# Altium PCB PCB-Tester-Board-V1.PcbDoc (part 5 of 7)
Units mil, origin at the board's own origin, x right, y up, seen from the top; angles counter-clockwise.
Board outline 15748.03 x 11811.02 mil, 8 copper layers (Top Layer, Inner1, Inner2, Inner3, Inner4, Inner5, Inner6, Bottom Layer), stack 59.646 mil thick; 751 components, 658 nets, 2830 pads, 1014 vias.
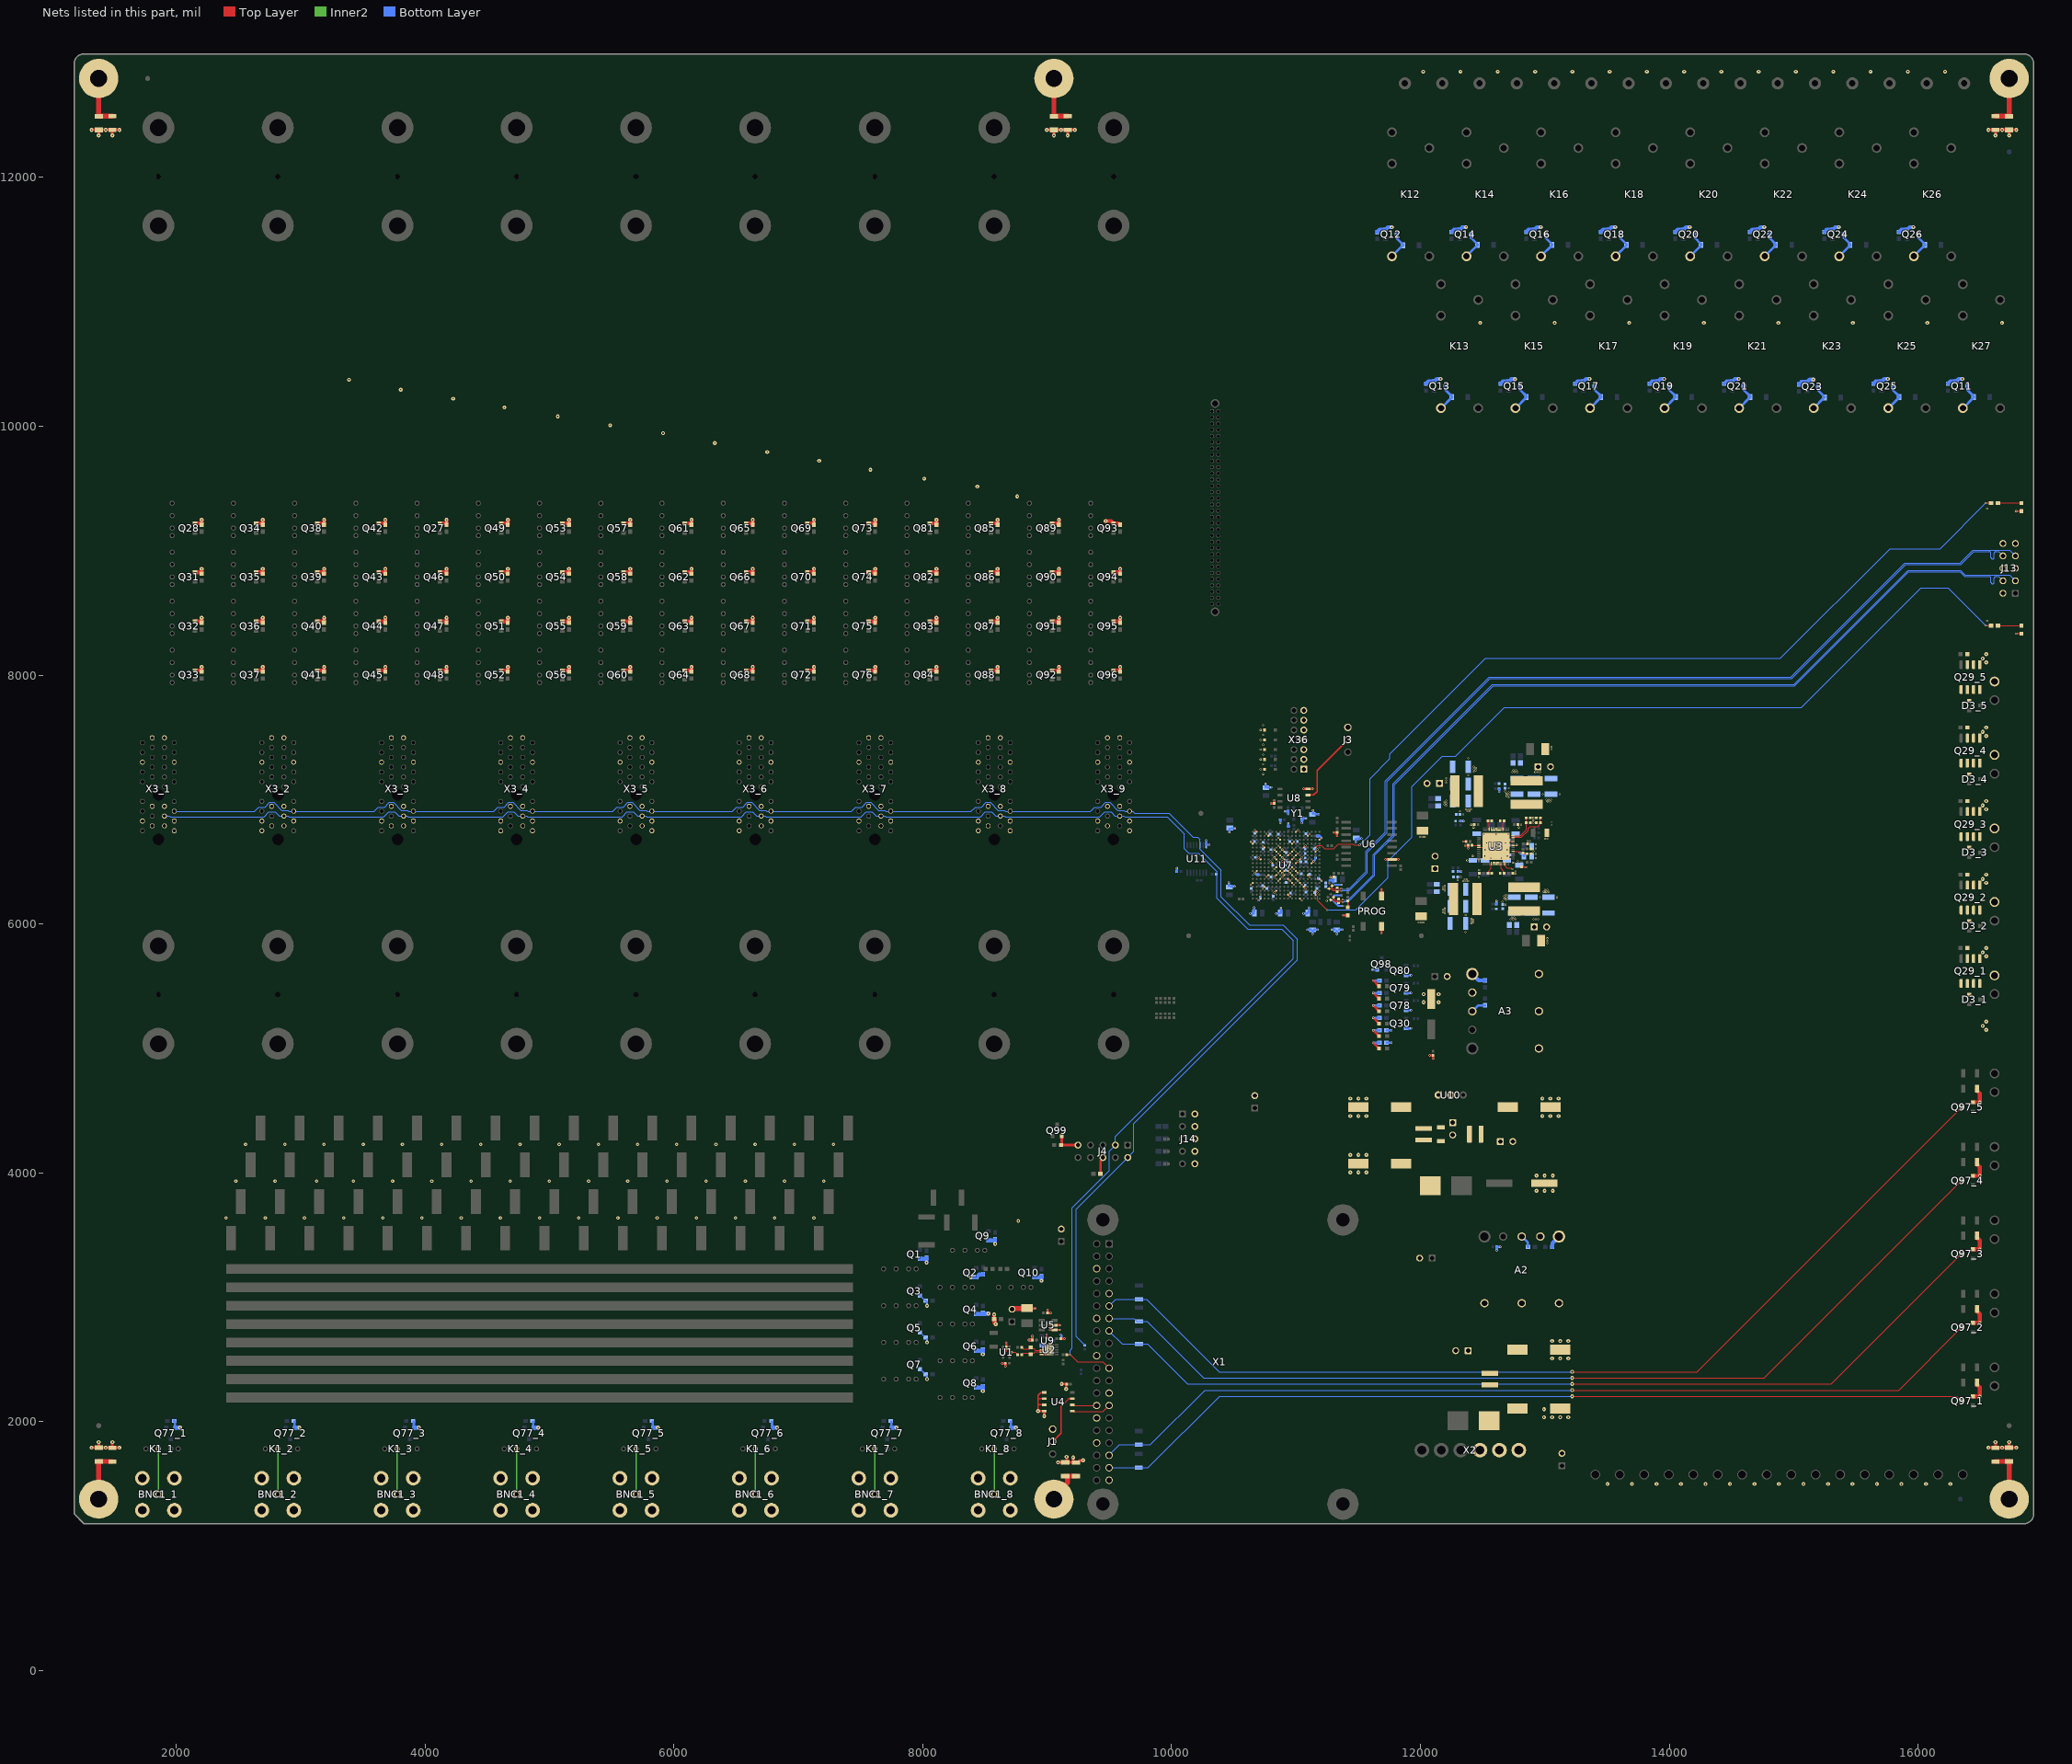
[diagram p11: the nets of this part, all layers, seen from the top]

## Via types
v1: diameter 15.75, hole 7.87, Top Layer to Bottom Layer, 599 vias
v2: diameter 31.5, hole 11.81, Top Layer to Bottom Layer, 361 vias
v3: diameter 27.56, hole 11.81, Top Layer to Bottom Layer, 54 vias

## Nets (pads, with @x,y where several pads share a name; then routed paths per layer and width w, separated by ;. In a path a pad name is that pad's centre, name@x,y a point inside that pad or via, vN(x,y) a via of type N, cw(c..) or ccw(c..) an arc to the next point about the centre after c; other vN are vias at no path point) (continued)
GND: A2.2 A2.3 A2.4 A3.2 A3.3 A3.4 BNC1_1.0 BNC1_2.0 BNC1_3.0 BNC1_4.0 BNC1_5.0 BNC1_6.0 BNC1_7.0 BNC1_8.0 C1.2 C2.2 C4.2 C5.2 C6.2 C7.2 C8.2 C9.2 C10.2 C11.2 C12.2 C13.2 C14.2 C15.2 C16.2 C17.2 C18.2 C19.2 C20.2 C21.2 C22.2 C23.2 C24.2 C25.2 C26.2 C27.2 C28.2 C29.2 C30.2 C31.2 C32.2 C33.2 C34.2 C35.2 C36.1 C37.2 C38.2 C39.2 C41.2 C42.2 C43.2 C44.2 C45.2 C47.2 C48.2 C49.2 C50.2 C51.2 C52.2 C53.2 C54.2 C56.2 C58.2 C59.2 C60.2 C61.2 C62.2 C63.2 C64.2 C65.2 C66.2 C67.2 C68.2 C69.2 C70.2 C71.1 C72.1 C73.1 C74.1 C75.1 C76.1 C77.2 C310.2 C311.2 C312.2 C313.2 C314.2 C315.2 C316.2 C317.2 C318.2 C430.2 C431.2 C432.2 C433.2 C434.2 C435.2 C436.2 C437.2 C438.2 C439.2 C440.2 C441.2 C442.2 C443.2 C444.2 C445.2 C446.2 C447.2 C448.2 C449.2 C450.2 C451.2 C452.2 C453.2 C454.2 C455.2 C456.2 C457.2 C458.2 C459.2 C460.2 C461.2 C462.2 C463.2 C464.2 C465.2 C466.2 C467.2 C468.2 C469.2 C470.1 C470.2 C471.2 C476.2 C477.2 D5.1 D6.1 D7.1 D8.1 D13.1 D33.2 D34.2 DONE.2 J1.3 J3.3 J4.6 J4.9 J13.2 J13.5 J13.6 J13.9 J13.10 J14.2 J14.4 J14.6 J14.8 J14.10 PROG.3 PROG.4 Q1.2 Q2.2 Q3.2 Q4.2 Q5.2 Q6.2 Q7.2 Q8.2 Q9.2 Q10.2 Q11.2 Q12.2 Q13.2 Q14.2 Q15.2 Q16.2 Q17.2 Q18.2 Q19.2 Q20.2 Q21.2 Q22.2 Q23.2 Q24.2 Q25.2 Q26.2 Q27.2 Q28.2 Q29_1.2 Q29_2.2 Q29_3.2 Q29_4.2 Q29_5.2 Q30.2 Q31.2 Q32.2 Q33.2 Q34.2 Q35.2 Q36.2 Q37.2 Q38.2 Q39.2 Q40.2 Q41.2 Q42.2 Q43.2 Q44.2 Q45.2 Q46.2 Q47.2 Q48.2 Q49.2 Q50.2 Q51.2 Q52.2 Q53.2 Q54.2 Q55.2 Q56.2 Q57.2 Q58.2 Q59.2 Q60.2 Q61.2 Q62.2 Q63.2 Q64.2 Q65.2 Q66.2 Q67.2 Q68.2 Q69.2 Q70.2 Q71.2 Q72.2 Q73.2 Q74.2 Q75.2 Q76.2 Q77_1.2 Q77_2.2 Q77_3.2 Q77_4.2 Q77_5.2 Q77_6.2 Q77_7.2 Q77_8.2 Q78.2 Q79.2 Q80.2 Q81.2 Q82.2 Q83.2 Q84.2 Q85.2 Q86.2 Q87.2 Q88.2 Q89.2 Q90.2 Q91.2 Q92.2 Q93.2 Q94.2 Q95.2 Q96.2 Q97_1.2 Q97_2.2 Q97_3.2 Q97_4.2 Q97_5.2 Q98.2 Q99.2 R1_1.1 R1_2.1 R1_3.1 R1_4.1 R1_5.1 R1_6.1 R1_7.1 R1_8.1 R2.1 R3.1 R4.1 R5.1 R6.1 R7.1 R8.1 R9.1 R13.1 R14.1 R15.1 R16.1 R17.1 R18.1 R19.1 R20.1 R21.1 R22.1 R23.1 R24.1 R25.1 R26.1 R27.1 R28.1 R29.1 R30.1 R31.1 R32.1 R33.1 R38_1.1 R38_2.1 R38_3.1 R38_4.1 R38_5.1 R40.1 R42.1 R48.1 R49.1 R50.1 R51.1 R52.1 R53.1 R54.1 R55.1 R56.1 R57.1 R58.1 R59.1 R60.1 R61.1 R62.1 R63.1 R64.1 R65.1 R66.1 R67.1 R68.1 R69.1 R70.1 R71.1 R72.1 R73.1 R74.1 R75.1 R76.1 R77.1 R78.1 R79.1 R80.1 R81.1 R82.1 R83.1 R84.1 R85.1 R86.1 R87.1 R88.1 R89.1 R90.1 R91.1 R92.1 R93.1 R95.1 R97.1 R114.2 R117_1.1 R117_2.1 R117_3.1 R117_4.1 R117_5.1 R122.2 R126.2 R133.2 R134.1 R136.1 R137.1 R140.2 R141.1 R143.1 R144.1 R145.1 R146.1 R147.1 R148.1 R149.1 R150.1 R151.1 R152.1 R153.1 R154.1 R155.1 R156.1 R157.1 R158.1 R162.1 R167.1 R168.1 R178.2 R179.2 R180.2 R181.2 R182.2 R183.2 R185.1 R187.1 TP1.2 TP2.2 TP3.2 TP4.2 TP5.2 TP6.2 TP7.2 TP8.2 TP9.2 TP10.2 TP11.2 TP12.2 TP13.2 U1.2 U2.5 U2.11 U3.22 U3.28 U3.40 U3.50 U3.52 U3.57 U4.1 U4.2 U4.3 U4.4 U5.1 U5.2 U6.10 U7.A2 U7.A12 U7.B5 U7.B15 U7.C8 U7.C18 U7.D1 U7.D11 U7.E4 U7.E8 U7.E14 U7.F7 U7.F9 U7.F11 U7.F17 U7.G8 U7.G10 U7.G12 U7.H3 U7.H7 U7.H9 U7.H11 U7.H13 U7.J6 U7.J8 U7.J9 U7.J10 U7.J12 U7.J16 U7.K7 U7.K9 U7.K10 U7.K11 U7.L2 U7.L8 U7.L9 U7.L10 U7.L12 U7.M5 U7.M7 U7.M9 U7.M11 U7.M15 U7.N8 U7.N10 U7.N12 U7.N18 U7.P1 U7.P11 U7.P13 U7.R4 U7.R14 U7.T7 U7.T17 U7.U10 U7.V3 U7.V13 U8.4 U9.1 U10.2 U11.7 X1.6 X1.9 X1.14 X1.20 X1.25 X1.30 X1.34 X1.39 X2.4 X2.5 X2.6 X3_1.A1 X3_1.A6 X3_1.A13 X3_1.A16 X3_1.A17 X3_1.A18 X3_1.B1 X3_1.B6 X3_1.B13 X3_1.B16 X3_1.B17 X3_2.A1 X3_2.A6 X3_2.A13 X3_2.A16 X3_2.A17 X3_2.B1 X3_2.B6 X3_2.B13 X3_2.B16 X3_2.B17 X3_2.B18 X3_3.A1 X3_3.A6 X3_3.A13 X3_3.A16 X3_3.A17 X3_3.B1 X3_3.B6 X3_3.B13 X3_3.B16 X3_3.B17 X3_4.A1 X3_4.A6 X3_4.A13 X3_4.A16 X3_4.A17 X3_4.A18 X3_4.B1 X3_4.B6 X3_4.B13 X3_4.B16 X3_4.B18 X3_5.A1 X3_5.A6 X3_5.A13 X3_5.A16 X3_5.A17 X3_5.A18 X3_5.B1 X3_5.B6 X3_5.B13 X3_5.B16 X3_6.A1 X3_6.A6 X3_6.A13 X3_6.A16 X3_6.A17 X3_6.B1 X3_6.B6 X3_6.B13 X3_6.B16 X3_6.B18 X3_7.A1 X3_7.A6 X3_7.A13 X3_7.A16 X3_7.A17 X3_7.B1 X3_7.B6 X3_7.B13 X3_7.B16 X3_8.A1 X3_8.A6 X3_8.A13 X3_8.A16 X3_8.A18 X3_8.B1 X3_8.B6 X3_8.B13 X3_8.B16 X3_8.B17 X3_8.B18 X3_9.A1 X3_9.A6 X3_9.A13 X3_9.A16 X3_9.A18 X3_9.B1 X3_9.B6 X3_9.B13 X3_9.B16 X3_9.B17 X36.1 X36.3 X36.5 X36.7 X36.9 X36.11 X36.13 Y1.2 | length 16934.6
  Top Layer w6: v1(8716.54,2559.06) 8744.07,2559.06 8755.93,2547.2 R114.2@8762.26,2540.89 ; v1(10637.8,6314.96) U7.P1@10653.54,6330.71 ; v1(10637.8,6661.42) U7.D1@10653.54,6645.67 ; v1(10669.29,6409.45) U7.L2@10685.04,6425.2 ; v1(10669.29,6755.91) U7.A2@10685.04,6740.16 ; v1(10700.79,6188.98) U7.V3@10716.54,6204.72 ; v1(10700.79,6535.43) U7.H3@10716.54,6519.69 ; v1(10732.28,6283.46) U7.R4@10748.03,6299.21 ; v1(10732.28,6629.92) U7.E4@10748.03,6614.17 ; v1(10763.78,6377.95) U7.M5@10779.53,6393.7 ; v1(10763.78,6724.41) U7.B5@10779.53,6708.66 ; v1(10795.28,6503.94) U7.J6@10811.02,6488.19 ; v1(10826.77,6251.97) U7.T7@10842.52,6267.72 ; v1(10826.77,6377.95) U7.M7@10842.52,6393.7 ; v1(10826.77,6440.94) U7.K7@10842.52,6456.69 ; v1(10826.77,6535.43) U7.H7@10842.52,6519.69 ; v1(10826.77,6598.43) U7.F7@10842.52,6582.68 ; v1(10858.27,6346.46) U7.N8@10874.02,6362.2 ; v1(10858.27,6409.45) U7.L8@10874.02,6425.2 ; v1(10858.27,6503.94) U7.J8@10874.02,6488.19 ; v1(10858.27,6566.93) U7.G8@10874.02,6551.18 ; v1(10858.27,6629.92) U7.E8@10874.02,6614.17 ; v1(10858.27,6692.91) U7.C8@10874.02,6677.17 ; v1(10889.76,6377.95) U7.M9@10905.51,6393.7 ; v1(10889.76,6409.45) U7.L9@10905.51,6425.2 ; v1(10889.76,6440.94) U7.K9@10905.51,6456.69 ; v1(10889.76,6503.94) U7.J9@10905.51,6488.19 ; v1(10889.76,6535.43) U7.H9@10905.51,6519.69 ; v1(10889.76,6598.43) U7.F9@10905.51,6582.68 ; U7.U10@10937.01,6236.22 v1(10952.76,6220.47) ; U7.N10@10937.01,6362.2 v1(10952.76,6346.46) ; U7.L10@10937.01,6425.2 v1(10952.76,6409.45) ; U7.K10@10937.01,6456.69 v1(10952.76,6440.94) ; U7.J10@10937.01,6488.19 v1(10952.76,6503.94) ; U7.G10@10937.01,6551.18 v1(10952.76,6566.93) ; U7.P11@10968.5,6330.71 v1(10984.25,6314.96) ; U7.M11@10968.5,6393.7 v1(10984.25,6377.95) ; U7.K11@10968.5,6456.69 v1(10984.25,6440.94) ; U7.H11@10968.5,6519.69 v1(10984.25,6535.43) ; U7.F11@10968.5,6582.68 v1(10984.25,6598.43) ; U7.D11@10968.5,6645.67 v1(10984.25,6661.42) ; U7.N12@11000,6362.2 v1(11015.75,6346.46) ; U7.L12@11000,6425.2 v1(11015.75,6409.45) ; U7.J12@11000,6488.19 v1(11015.75,6503.94) ; U7.G12@11000,6551.18 v1(11015.75,6566.93) ; U7.A12@11000,6740.16 v1(11015.75,6755.91) ; U7.V13@11031.5,6204.72 v1(11047.24,6188.98) ; U7.P13@11031.5,6330.71 v1(11047.24,6314.96) ; U7.H13@11031.5,6519.69 v1(11047.24,6535.43) ; U7.R14@11062.99,6299.21 v1(11078.74,6283.46) ; U7.E14@11062.99,6614.17 v1(11078.74,6629.92) ; U7.M15@11094.49,6393.7 v1(11110.24,6377.95) ; U7.B15@11094.49,6708.66 v1(11110.24,6724.41) ; U7.J16@11125.98,6488.19 v1(11141.73,6503.94) ; U7.T17@11157.48,6267.72 v1(11173.23,6251.97) ; U7.F17@11157.48,6582.68 v1(11173.23,6598.43) ; U7.N18@11188.98,6362.2 v1(11204.72,6346.46) ; U7.C18@11188.98,6677.17 v1(11204.72,6692.91) ; U3.28@12470.47,6521.65 12471,6521.13 v1(12471,6504) ; U3.22@12470.47,6616.14 12600.39,6616.14 v1(12608.27,6624.02) ; U3.40@12679.18,6486.17 12679.18,6468.36 12696.49,6451.05 12729.95,6451.05 v1(12739,6442) ; U3.57@12702,6666 12704.61,6663.39 U3.52@12746.06,6663.39
  Top Layer w8.66: U3.50@12746.06,6631.89 12769.97,6631.89 12773.08,6635 v1(12774.54,6635) v1@12776,6635
  Top Layer w10: v2(8927.63,2085.83) 8927.63,2135.88 ; U4.3@8976.76,2135.83 8927.69,2135.83 8927.63,2135.88 ; U4.2@8976.76,2185.83 8927.74,2185.83 8927.63,2185.94 ; U4.1@8976.76,2235.83 8974.3,2233.38 8948.49,2233.38 8927.63,2212.52 8927.63,2185.94 ; v1(11277.8,6376.6) R162.1@11304.62,6376.6 ; v1(16788.13,8333.66) D33.2@16830.71,8333.66 ; v1(16788.13,9317.91) D34.2@16830.71,9317.91 ; 8927.63,2135.88 8927.63,2185.94
  Top Layer w11.81: U2.5@8956.69,2539.37 U2.11@8986.22,2539.37
  Top Layer w12: R122.2@12814.96,6460.63 12818.9,6456.69 v1(12851.38,6456.69)
  Top Layer w16: v1(8662.01,2559.06) 8670.01,2567.06 8670.01,2593.24 U1.2@8671.26,2594.49 ; v1(12346,6663.39) C53.2@12368,6663.39 ; v1(12360,6630) 12383.06,6630 12384,6629.06 v1(12384,6609)
  Top Layer w18: C63.2@8878.57,2909.56 v1(8904.7,2909.56) ; C6.2@8992.13,2677.17 C6.2@8996.06,2677.17 ; v1(8996.06,2700.79) C6.2@8996.06,2677.17 ; v1(9003.94,2900.14) 9003.94,2874.02 v1(9030.06,2874.02) ; v1(9015.75,2677.17) C6.2@8996.06,2677.17 ; v1(9021.64,2738.69) U5.1@9047.77,2738.69 ; v1(9021.64,2776.1) U5.2@9047.77,2776.1 ; U5.1@9074.8,2738.19 v1(9100.93,2738.19) ; U5.2@9074.8,2775.59 v1(9100.93,2775.59) ; v1(10800.65,6968.31) C36.1@10826.77,6968.31 v1(10826.77,6994.43) ; v1(11303.15,6736.22) C37.2@11330.71,6736.22 v1(11330.71,6710.09) ; v1(11379.92,6070.86) DONE.2@11417.32,6070.86 ; v1(11687.01,5929.13) PROG.3@11687.01,5956.69 ; PROG.4@11687.01,6251.97 v1(11687.01,6279.53) ; v1(11720.47,6519) U6.10@11748.03,6519 ; U6.10@11796.87,6519 v1(11824.43,6519)
  Top Layer w18.5: U1.2@8671.26,2594.49 v1(8671.26,2635.04)
  Top Layer w20: v1(8638.78,2468.5) 8655.87,2468.5 8657.02,2469.65 8664.53,2469.65 C4.2@8665.35,2470.47 v1(8665.35,2445.87) ; v1(8851.38,2657.48) C70.2@8881.89,2657.48 v1(8881.89,2687.99) ; v2(8927.63,2085.83) U4.4@8967.43,2085.83 ; v2(8976.76,2045.74) U4.4@8976.76,2085.54 ; C2.2@9110.24,2667.32 v1(9139.76,2667.32) ; R185.1@9112.2,4223.23 R185.1@9112.36,4223.23 ; v2(9117.4,2303.15) C1.2@9157.19,2303.15 ; Q99.2@9118.11,4295.28 9118.11,4228.98 R185.1@9112.36,4223.23 ; v2(9153.54,2263.07) C1.2@9153.54,2302.86 ; J4.9@9248.82,4223.23 R185.1@9112.36,4223.23 ; R187.1@9429.13,3992.13 9429.13,4094.04 9448.82,4113.73 J4.6@9448.82,4123.23 ; v1(11061.02,7086.81) U8.4@11097.25,7086.81 v1(11133.48,7086.81) ; v1(12074.84,4944.88) C62.2@12102.36,4944.88 v1(12102.36,4917.32)
  Top Layer w22: v2(1320.95,1791.34) C71.1@1358.27,1791.34 ; v2(1320.95,12381.89) C76.1@1358.27,12381.89 ; C71.1@1377.95,1799.21 v2(1377.95,1836.53) ; v2(1377.95,12336.7) C76.1@1377.95,12374.02 ; C71.1@1382.05,1791.34 v2(1435.13,1791.34) R178.2@1472.44,1791.34 ; C76.1@1382.05,12381.89 v2(1435.13,12381.89) R183.2@1472.44,12381.89 ; R178.2@1488.19,1799.21 v2(1488.19,1836.53) ; v2(1488.19,12336.7) R183.2@1488.19,12374.02 ; R178.2@1507.87,1791.34 v2(1545.19,1791.34) ; R183.2@1507.87,12381.89 v2(1545.19,12381.89) ; v2(8998.12,12381.89) C75.1@9035.43,12381.89 ; v2(9055.12,12336.7) C75.1@9055.12,12374.02 ; C75.1@9059.22,12381.89 v2(9112.29,12381.89) R182.2@9149.61,12381.89 ; v2(9088.67,1673.23) C72.1@9145.67,1673.23 R179.2@9229.94,1673.23 ; C72.1@9157.48,1681.1 v2(9157.48,1718.42) ; v2(9165.35,12336.7) R182.2@9165.35,12374.02 ; R182.2@9185.04,12381.89 v2(9222.35,12381.89) ; R179.2@9209.49,1676.18 v2(9209.49,1713.5) ; R179.2@9243.72,1670.18 9263.49,1689.96 v2(9289.28,1689.96) ; v2(16565.05,1791.34) R180.2@16602.36,1791.34 ; v2(16565.05,12381.89) R181.2@16602.36,12381.89 ; R180.2@16622.05,1799.21 v2(16622.05,1836.53) ; v2(16622.05,12336.7) R181.2@16622.05,12374.02 ; R180.2@16637.8,1791.34 v2(16675.11,1791.34) C73.1@16728.19,1791.34 ; R181.2@16637.8,12381.89 v2(16675.11,12381.89) C74.1@16728.19,12381.89 ; C73.1@16732.28,1799.21 v2(16732.28,1836.53) ; v2(16732.28,12336.7) C74.1@16732.28,12374.02 ; C73.1@16751.97,1791.34 v2(16789.28,1791.34) ; C74.1@16751.97,12381.89 v2(16789.28,12381.89)
  Top Layer w31.5: Q33.2@2151.57,8038.27 R50.1@2195.67,8038.27 ; Q32.2@2151.57,8431.97 R49.1@2195.67,8431.97 ; Q31.2@2151.57,8825.67 R48.1@2195.67,8825.67 ; Q28.2@2151.57,9219.37 2195.67,9219.37 R33.1@2203.54,9211.5 ; R50.1@2205.51,8030.39 v2(2205.51,8066.15) ; R49.1@2205.51,8424.09 v2(2205.51,8459.85) ; R48.1@2205.51,8817.8 v2(2205.51,8853.55) ; R33.1@2205.51,9211.5 v2(2205.51,9247.25) ; Q37.2@2643.7,8038.27 R54.1@2687.8,8038.27 ; Q36.2@2643.7,8431.97 R53.1@2687.8,8431.97 ; Q35.2@2643.7,8825.67 R52.1@2687.8,8825.67 ; Q34.2@2643.7,9219.37 2687.8,9219.37 R51.1@2695.67,9211.5 ; R54.1@2697.64,8030.39 v2(2697.64,8066.15) ; R53.1@2697.64,8424.09 v2(2697.64,8459.85) ; R52.1@2697.64,8817.8 v2(2697.64,8853.55) ; R51.1@2697.64,9211.5 v2(2697.64,9247.25) ; Q41.2@3135.83,8038.27 R58.1@3179.92,8038.27 ; Q40.2@3135.83,8431.97 R57.1@3179.92,8431.97 ; Q39.2@3135.83,8825.67 R56.1@3179.92,8825.67 ; Q38.2@3135.83,9219.37 R55.1@3179.92,9219.37 ; R58.1@3189.76,8030.39 v2(3189.76,8066.15) ; R57.1@3189.76,8424.09 v2(3189.76,8459.85) ; R56.1@3189.76,8817.8 v2(3189.76,8853.55) ; R55.1@3189.76,9211.5 v2(3189.76,9247.25) ; Q45.2@3627.95,8038.27 R62.1@3672.05,8038.27 ; Q44.2@3627.95,8431.97 R61.1@3672.05,8431.97 ; Q43.2@3627.95,8825.67 R60.1@3672.05,8825.67 ; Q42.2@3627.95,9219.37 R59.1@3672.05,9219.37 ; R62.1@3681.89,8030.39 v2(3681.89,8066.15) ; R61.1@3681.89,8424.09 v2(3681.89,8459.85) ; R60.1@3681.89,8817.8 v2(3681.89,8853.55) ; R59.1@3681.89,9211.5 v2(3681.89,9247.25) ; Q48.2@4120.08,8038.27 R65.1@4164.17,8038.27 ; Q47.2@4120.08,8431.97 R64.1@4164.17,8431.97 ; Q46.2@4120.08,8825.67 R63.1@4164.17,8825.67 ; Q27.2@4120.08,9219.37 R32.1@4164.17,9219.37 ; R65.1@4174.02,8030.39 v2(4174.02,8066.15) ; R64.1@4174.02,8424.09 v2(4174.02,8459.85) ; R63.1@4174.02,8817.8 v2(4174.02,8853.55) ; R32.1@4174.02,9211.5 v2(4174.02,9247.25) ; Q52.2@4612.2,8038.27 R69.1@4656.3,8038.27 ; Q51.2@4612.2,8431.97 R68.1@4656.3,8431.97 ; Q50.2@4612.2,8825.67 R67.1@4656.3,8825.67 ; Q49.2@4612.2,9219.37 R66.1@4656.3,9219.37 ; R69.1@4666.14,8030.39 v2(4666.14,8066.15) ; R68.1@4666.14,8424.09 v2(4666.14,8459.85) ; R67.1@4666.14,8817.8 v2(4666.14,8853.55) ; R66.1@4666.14,9211.5 v2(4666.14,9247.25) ; Q56.2@5104.33,8038.27 R73.1@5148.43,8038.27 ; Q55.2@5104.33,8431.97 R72.1@5148.43,8431.97 ; Q54.2@5104.33,8825.67 R71.1@5148.43,8825.67 ; Q53.2@5104.33,9219.37 R70.1@5148.43,9219.37 ; R73.1@5158.27,8030.39 v2(5158.27,8066.15) ; R72.1@5158.27,8424.09 v2(5158.27,8459.85) ; R71.1@5158.27,8817.8 v2(5158.27,8853.55) ; R70.1@5158.27,9211.5 v2(5158.27,9247.25) ; Q60.2@5596.46,8038.27 R77.1@5640.55,8038.27 ; Q59.2@5596.46,8431.97 R76.1@5640.55,8431.97 ; Q58.2@5596.46,8825.67 R75.1@5640.55,8825.67 ; Q57.2@5596.46,9219.37 R74.1@5640.55,9219.37 ; R77.1@5650.39,8030.39 v2(5650.39,8066.15) ; R76.1@5650.39,8424.09 v2(5650.39,8459.85) ; R75.1@5650.39,8817.8 v2(5650.39,8853.55) ; R74.1@5650.39,9211.5 v2(5650.39,9247.25) ; Q64.2@6088.58,8038.27 R81.1@6132.68,8038.27 ; Q63.2@6088.58,8431.97 R80.1@6132.68,8431.97 ; Q62.2@6088.58,8825.67 R79.1@6132.68,8825.67 ; Q61.2@6088.58,9219.37 R78.1@6132.68,9219.37 ; R81.1@6142.52,8030.39 v2(6142.52,8066.15) ; R80.1@6142.52,8424.09 v2(6142.52,8459.85) ; R79.1@6142.52,8817.8 v2(6142.52,8853.55) ; R78.1@6142.52,9211.5 v2(6142.52,9247.25) ; Q68.2@6580.71,8038.27 R85.1@6624.8,8038.27 ; Q67.2@6580.71,8431.97 R84.1@6624.8,8431.97 ; Q66.2@6580.71,8825.67 R83.1@6624.8,8825.67 ; Q65.2@6580.71,9219.37 R82.1@6624.8,9219.37 ; R85.1@6634.65,8030.39 v2(6634.65,8066.15) ; R84.1@6634.65,8424.09 v2(6634.65,8459.85) ; R83.1@6634.65,8817.8 v2(6634.65,8853.55) ; R82.1@6634.65,9211.5 v2(6634.65,9247.25) ; Q72.2@7072.83,8038.27 R89.1@7116.93,8038.27 ; Q71.2@7072.83,8431.97 R88.1@7116.93,8431.97 ; Q70.2@7072.83,8825.67 R87.1@7116.93,8825.67 ; Q69.2@7072.83,9219.37 R86.1@7116.93,9219.37 ; R89.1@7126.77,8030.39 v2(7126.77,8066.15) ; R88.1@7126.77,8424.09 v2(7126.77,8459.85) ; R87.1@7126.77,8817.8 v2(7126.77,8853.55) ; R86.1@7126.77,9211.5 v2(7126.77,9247.25) ; Q76.2@7564.96,8038.27 R93.1@7609.06,8038.27 ; Q75.2@7564.96,8431.97 R92.1@7609.06,8431.97 ; Q74.2@7564.96,8825.67 R91.1@7609.06,8825.67 ; Q73.2@7564.96,9219.37 R90.1@7609.06,9219.37 ; R93.1@7618.9,8030.39 v2(7618.9,8066.15) ; R92.1@7618.9,8424.09 v2(7618.9,8459.85) ; R91.1@7618.9,8817.8 v2(7618.9,8853.55) ; R90.1@7618.9,9211.5 v2(7618.9,9247.25) ; Q84.2@8057.09,8038.27 R146.1@8101.18,8038.27 ; Q83.2@8057.09,8431.97 R145.1@8101.18,8431.97 ; Q82.2@8057.09,8825.67 R144.1@8101.18,8825.67 ; Q81.2@8057.09,9219.37 R143.1@8101.18,9219.37 ; R146.1@8111.02,8030.39 v2(8111.02,8066.15) ; R145.1@8111.02,8424.09 v2(8111.02,8459.85) ; R144.1@8111.02,8817.8 v2(8111.02,8853.55) ; R143.1@8111.02,9211.5 v2(8111.02,9247.25) ; Q88.2@8549.21,8038.27 R150.1@8593.31,8038.27 ; Q87.2@8549.21,8431.97 R149.1@8593.31,8431.97 ; Q86.2@8549.21,8825.67 R148.1@8593.31,8825.67 ; Q85.2@8549.21,9219.37 R147.1@8593.31,9219.37 ; v2(8574.8,2861.54) R13.1@8574.8,2824.8 8576.77,2824.8 8576.77,2794.82 v2(8587.04,2784.57) ; R150.1@8603.15,8030.39 v2(8603.15,8066.15) ; R149.1@8603.15,8424.09 v2(8603.15,8459.85) ; R148.1@8603.15,8817.8 v2(8603.15,8853.55) ; R147.1@8603.15,9211.5 v2(8603.15,9247.25) ; Q92.2@9041.34,8038.27 R154.1@9085.43,8038.27 ; Q91.2@9041.34,8431.97 R153.1@9085.43,8431.97 ; Q90.2@9041.34,8825.67 R152.1@9085.43,8825.67 ; Q89.2@9041.34,9219.37 R151.1@9085.43,9219.37 ; R154.1@9095.28,8030.39 v2(9095.28,8066.15) ; R153.1@9095.28,8424.09 v2(9095.28,8459.85) ; R152.1@9095.28,8817.8 v2(9095.28,8853.55) ; R151.1@9095.28,9211.5 v2(9095.28,9247.25) ; v2(9469.99,9239.06) 9515.28,9239.06 Q93.2@9534.96,9219.37 ; Q96.2@9533.46,8038.27 R158.1@9577.56,8038.27 ; Q95.2@9533.46,8431.97 R157.1@9577.56,8431.97 ; Q94.2@9533.46,8825.67 R156.1@9577.56,8825.67 ; Q93.2@9533.46,9219.37 Q93.2@9534.96,9219.37 ; R155.1@9586.61,9209.53 9586.61,9211.5 9581.46,9211.5 9573.59,9219.37 Q93.2@9534.96,9219.37 ; R158.1@9587.4,8030.39 v2(9587.4,8066.15) ; R157.1@9587.4,8424.09 v2(9587.4,8459.85) ; R156.1@9587.4,8817.8 v2(9587.4,8853.55) ; Q97_1.2@16440.94,2204.72 v3(16496.06,2204.72) 16496.06,2275.67 16473.43,2298.31 16473.43,2314.06 R117_1.1@16472.44,2315.04 ; Q97_2.2@16440.94,2795.28 v3(16496.06,2795.28) 16496.06,2866.22 16473.43,2888.86 16473.43,2904.61 R117_2.1@16472.44,2905.59 ; Q97_3.2@16440.94,3385.83 v3(16496.06,3385.83) 16496.06,3456.78 16473.43,3479.41 16473.43,3495.16 R117_3.1@16472.44,3496.15 ; Q97_4.2@16440.94,3976.38 v3(16496.06,3976.38) 16496.06,4047.33 16473.43,4069.97 16473.43,4085.71 R117_4.1@16472.44,4086.7 ; Q97_5.2@16440.94,4566.93 v3(16496.06,4566.93) 16496.06,4637.88 16473.43,4660.52 16473.43,4676.26 R117_5.1@16472.44,4677.25
  Top Layer w40: TP2.2@8717.99,2909.45 C63.2@8799.21,2909.45
  Bottom Layer w12: Q3.2@7977.56,3012.99 7987.31,3003.24 7991.05,3003.24 8011.91,2982.39 8011.91,2982.19 8021.65,2972.44 R4.1@8023.62,2972.44 8025.59,2972.44 8035.34,2962.69 8035.34,2960.72 8035.43,2960.63 v2(8035.43,2933.07) ; Q7.2@7991.05,2412.69 R8.1@8011.91,2391.84 ; Q5.2@7991.05,2707.97 R6.1@8011.91,2687.12 ; v2(8035.43,2342.52) R8.1@8035.43,2370.08 ; v2(8035.43,2637.79) R6.1@8035.43,2665.35
  Bottom Layer w13.78: v1(10279.53,6675.26) U11.7@10279.53,6633.86 10283.47,6637.8 v1(10303.3,6637.8)
  Bottom Layer w15: v1(10669.29,6409.45) 10669.49,6409.45 10677.98,6400.96 10693.52,6400.96 C461.2@10696.85,6397.64 ; v1(10700.79,6188.98) 10700.79,6189.18 10709.27,6197.66 10709.27,6213.21 C460.2@10712.6,6216.54 ; v1(11141.73,6503.94) 11154.15,6516.36 11154.15,6528.17 C448.2@11157.48,6531.5 ; C442.2@11181.1,6366.14 11184.43,6362.81 11188.37,6362.81 v1(11204.72,6346.46) ; 11290.51,6195.11 11339.95,6145.67 v1(11377.95,6145.67) ; 11304.65,6229.5 v1(11369.5,6229.5) ; 11307.88,6315.24 v1(11367.95,6315.24)
  Bottom Layer w18: C456.2@10460.63,6306.1 v1(10460.63,6332.23) ; v1(10464.57,6737.65) C463.2@10464.57,6763.78 ; C456.2@10480.32,6302.17 v1(10506.44,6302.17) ; C463.2@10484.25,6767.72 v1(10510.38,6767.72) ; v1(10633.32,6084.65) C310.2@10659.45,6084.65 ; C310.2@10663.39,6104.33 10661.42,6106.3 10663.77,6108.65 v1(10663.77,6132.42) ; C451.2@10755.91,7102.36 v1(10755.91,7128.49) ; C451.2@10775.59,7098.43 v1(10801.72,7098.43) ; v1(10840.02,6083.66) C436.2@10866.14,6083.66 ; C436.2@10874.02,6087.6 10882.27,6095.85 10880.25,6097.87 v1(10880.25,6129.29) ; v1(10874.02,6812.46) C453.2@10874.02,6838.58 ; v1(10910.88,6905.51) C17.2@10937.01,6905.51 v1(10937.01,6883.32) ; v1(10938.6,6809.41) 10938.6,6785.81 C452.2@10940.94,6783.46 ; v1(11048.23,6812.46) Y1.2@11048.23,6838.58 ; Y1.2@11054.92,6848.43 v1(11081.05,6848.43) ; v1(11060.49,6084.65) C318.2@11086.61,6084.65 ; v1(11092.16,5954.34) C10.2@11118.28,5954.34 ; C318.2@11094.49,6088.58 11104.19,6098.28 11104.19,6129.15 v1(11106.18,6131.14) ; v1(11133.55,5920.03) C10.2@11133.55,5946.15 ; C316.2@11137.8,6885.83 v1(11137.8,6911.95) ; C10.2@11148.53,5954.03 v1(11174.66,5954.03) ; C316.2@11157.48,6881.89 v1(11183.61,6881.89) ; 11271.65,6350.39 11280.28,6350.39 11282.96,6353.07 C437.2@11301.18,6334.84 ; v1(11287.14,5954.34) C9.2@11313.27,5954.34 ; C437.2@11305.12,6354.53 C437.2@11305.12,6380.65 ; v1(11328.43,5918.76) C9.2@11328.43,5944.88 ; C9.2@11346.46,5953.72 v1(11372.58,5953.72) ; v1(11480.75,6657.93) C444.2@11480.75,6684.06 ; C444.2@11500.43,6687.99 v1(11526.56,6687.99) ; R97.1@12304.9,6422 v1(12328,6422) ; R134.1@12322.65,6827.24 12322.9,6827 v1(12346,6827) ; R95.1@12612,6160.9 v1(12612,6184) ; v1(12632.83,7064.66) R141.1@12632.83,7087.76